# EAGLE board Mk4 Final a Panel score 2x5 (EAGLE 9.0.1), part 2 of 29 (continued)
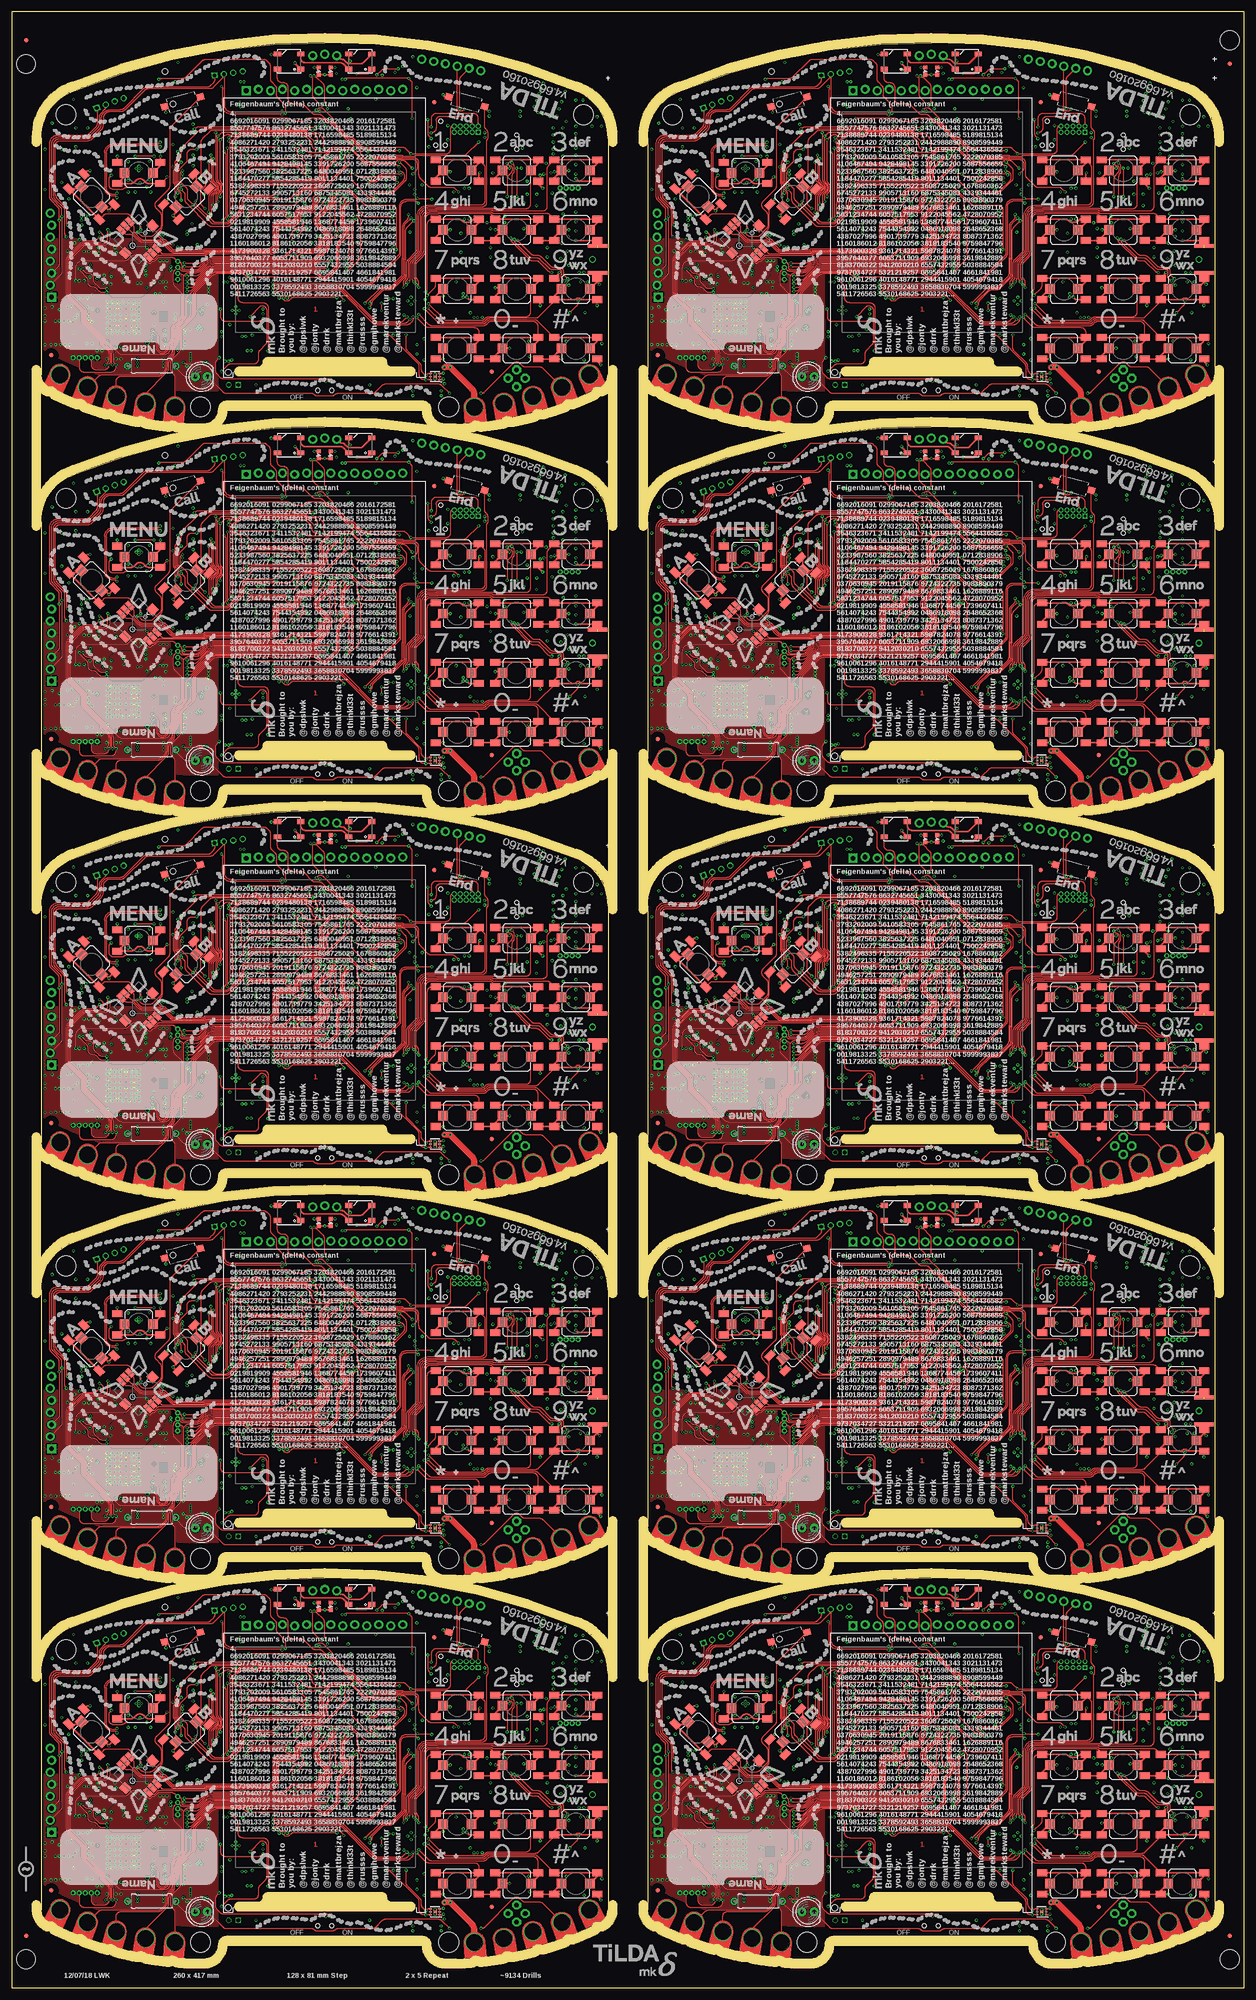
[diagram p0: board, top side]
## Placement (x,y rotation side) (continued)
C888  0402/100n/10V/X5R  [C0402-SMALLER]  50.25,391.5 0 bottom
C889  0402/100n/10V/X5R  [C0402-SMALLER]  50.25,386.75 0 bottom
C890  0402/100n/10V/X5R  [C0402-SMALLER]  35.25,384.25 180 bottom
C891  0402/100n/10V/X5R  [C0402-SMALLER]  50.25,382.75 0 bottom
C892  0402/100n/10V/X5R  [C0402-SMALLER]  50.25,393 0 bottom
C893  0402/100n/10V/X5R  [C0402-SMALLER]  35.25,389 180 bottom
C894  0402/100n/10V/X5R  [C0402-SMALLER]  50.25,372.25 0 bottom
C895  1411/100u/10V/Tant  [CT3528]  102.25,355.5 90 bottom
C896  0603/4u7/10V/X5R  [C0603K-SMALL]  107.5,357.75 180 bottom
C897  0402/100n/10V/X5R  [C0402-SMALLER]  109.25,360.75 180 bottom
C898  1411/100u/10V/Tant  [CT3528]  98.5,355.5 90 bottom
C899  0805/10u/10V/X5R  [C0805-N]  38.45,348.75 0 bottom
C900  0603/4u7/10V/X5R  [C0603K-SMALL]  39.45,344.35 90 bottom
C901  0805/10u/10V/X5R  [C0805-N]  38.45,346.75 0 bottom
C902  0805/10u/10V/X5R  [C0805-N]  87,345.75 270 bottom
C903  0805/10u/10V/X5R  [C0805-N]  49.75,350 180 bottom
C904  0805/10u/10V/X5R  [C0805-N]  42.75,356.5 90 bottom
C905  0603/4u7/10V/X5R  [C0603K-SMALL]  42.2,354.25 180 bottom
C906  0402/47n/10V/X5R  [C0402-SMALLER]  42.75,353.25 0 bottom
C907  0805/10u/10V/X5R  [C0805-N]  46.25,349 0 bottom
C908  0603/1u/6V3/X5R  [C0603K-SMALL]  43.75,358.75 0 bottom
C909  1210/100u/6V3/X5R  [C1210K]  32,367.25 270 bottom
C910  1210/100u/6V3/X5R  [C1210K]  29.25,343 0 bottom
C911  0402/22p/10V/C0G  [C0402-SMALLER]  107.5,382.5 270 bottom
C912  0402/22p/10V/C0G  [C0402-SMALLER]  104.5,382.5 270 bottom
C913  0402/22p/10V/C0G  [C0402-SMALLER]  102.5,382.5 270 bottom
C914  0402/100n/10V/X5R  [C0402-SMALLER]  121.25,344.25 180 bottom
C915  0402/33p/50V/C0G  [C0402-SMALLER]  104,396 0 bottom
C916  0402/10p/50V/C0G  [C0402-SMALLER]  102,395 0 bottom
C917  0402/33p/50V/C0G  [C0402-SMALLER]  106,396 180 bottom
C918  0402/33p/50V/C0G  [C0402-SMALLER]  102,396 0 bottom
C919  0402/10p/50V/C0G  [C0402-SMALLER]  104,395 0 bottom
C920  0402/10p/50V/C0G  [C0402-SMALLER]  106,395 180 bottom
C921  0402/33p/50V/C0G  [C0402-SMALLER]  95.5,376.5 90 bottom
C922  0402/10p/50V/C0G  [C0402-SMALLER]  96.5,378.5 90 bottom
C923  0402/33p/50V/C0G  [C0402-SMALLER]  95.5,374.5 270 bottom
C924  0402/33p/50V/C0G  [C0402-SMALLER]  95.5,378.5 90 bottom
C925  0402/10p/50V/C0G  [C0402-SMALLER]  96.5,376.5 90 bottom
C926  0402/10p/50V/C0G  [C0402-SMALLER]  96.5,374.5 270 bottom
C927  0402/100n/10V/X5R  [C0402-SMALLER]  85.25,380.45 180 bottom
C928  0402/100n/10V/X5R  [C0402-SMALLER]  100.75,391 270 bottom
C929  [C0402-SMALLER]  117.45,368.1 270 bottom
C930  [C0402-SMALLER]  118,365.5 180 bottom
C931  [C0402-SMALLER]  116.75,395 20 bottom
C932  [C0402-SMALLER]  117.75,397.75 20 bottom
C933  [C0402-SMALLER]  11.75,353.5 270 bottom
C934  [C0402-SMALLER]  8.5,353.5 270 bottom
C935  0402/1n/10V/X5R  [C0402-SMALLER]  87.5,387.75 0 bottom
C936  0402/2n2/10V/X5R  [C0402-SMALLER]  85.5,387.75 0 bottom
C937  0402/100n/10V/X5R  [C0402-SMALLER]  90,385 0 bottom
C938  0402/100n/10V/X5R  [C0402-SMALLER]  90,384 0 bottom
C939  0402/220n/6V3/X5R  [C0402-SMALLER]  29.95,388.45 180 bottom
C940  0402/220n/6V3/X5R  [C0402-SMALLER]  29.95,389.45 180 bottom
C941  0402/100n/10V/X5R  [C0402-SMALLER]  27.05,379.45 270 bottom
C942  0402/100n/10V/X5R  [C0402-SMALLER]  23,367.25 180 bottom
C943  0402/100n/10V/X5R  [C0402-SMALLER]  14.25,359 270 bottom
C944  0402/100n/10V/X5R  [C0402-SMALLER]  17.5,353.25 0 bottom
C945  0805/10u/10V/X5R  [C0805-N]  17.85,364.1 90 bottom
C946  0402/100n/10V/X5R  [C0402-SMALLER]  20.1,360.25 90 bottom
C947  0402/100n/10V/X5R  [C0402-SMALLER]  30.75,356.75 180 bottom
C948  0603/1u/6V3/X5R  [C0603K-SMALL]  17.5,359.75 0 bottom
C949  0603/22u/4V/X5R  [C0603K-SMALL]  27.25,362.75 90 bottom
C950  0603/22u/4V/X5R  [C0603K-SMALL]  26,362.75 90 bottom
C951  0805/10u/10V/X5R  [C0805-N]  32.25,362 270 bottom
C952  0402/4u7/6V3/X5R  [C0402-SMALLER]  21.6,360 90 bottom
C953  0402/4u7/6V3/X5R  [C0402-SMALLER]  27.2,358.5 180 bottom
C954  0402/4u7/6V3/X5R  [C0402-SMALLER]  22.9,360.2 90 bottom
C955  0402/100n/10V/X5R  [C0402-SMALLER]  22,345 270 bottom
C956  0402/100n/10V/X5R  [C0402-SMALLER]  30,352.25 270 bottom
C957  0805/10u/10V/X5R  [C0805-N]  30.5,358.75 180 bottom
C958  0402/100n/10V/X5R  [C0402-SMALLER]  17.5,352.25 0 bottom
C959  0402/100n/10V/X5R  [C0402-SMALLER]  30.75,355.75 180 bottom
C960  0402/100n/10V/X5R  [C0402-SMALLER]  31,348.75 180 bottom
C961  0402/100n/10V/X5R  [C0402-SMALLER]  23,345 270 bottom
C962  0402/12p/50V/C0G  [C0402-SMALLER]  16.95,350.25 270 bottom
C963  0402/12p/50V/C0G  [C0402-SMALLER]  16.95,348.25 90 bottom
C964  0402/12p/50V/C0G  [C0402-SMALLER]  33.75,351.75 270 bottom
C965  0402/12p/50V/C0G  [C0402-SMALLER]  33.75,353.75 90 bottom
C966  0402/100n/10V/X5R  [C0402-SMALLER]  81,349.5 180 bottom
C967  0402/120p/50V/C0G  [C0402-SMALLER]  33.95,344.35 270 bottom
C968  0402/100n/10V/X5R  [C0402-SMALLER]  90.25,340 90 bottom
C969  0402/220n/6V3/X5R  [C0402-SMALLER]  29.95,390.4 180 bottom
C970  0402/220n/6V3/X5R  [C0402-SMALLER]  30,387.5 180 bottom
C971  0402/100n/10V/X5R  [C0402-SMALLER]  85.35,336.5 270 bottom
C972  0402/100n/10V/X5R  [C0402-SMALLER]  92,339.5 270 bottom
C973  0603/4u7/10V/X5R  [C0603K-SMALL]  185.75,370.25 180 bottom
C974  0402/100n/10V/X5R  [C0402-SMALLER]  185.75,369 180 bottom
C975  0603/1u/6V3/X5R  [C0603K-SMALL]  188.75,405.5 270 bottom
C976  0402/100n/10V/X5R  [C0402-SMALLER]  203.75,376.25 0 bottom
C977  0402/100n/10V/X5R  [C0402-SMALLER]  196.5,402.75 270 bottom
C978  0402/100n/10V/X5R  [C0402-SMALLER]  203.5,398.5 0 bottom
C979  0402/100n/10V/X5R  [C0402-SMALLER]  212.45,400.5 270 bottom
C980  0603/2u2/6V3/X5R  [C0603K-SMALL]  205,381.5 0 bottom
C981  0603/1u/6V3/X5R  [C0603K-SMALL]  205,380.25 0 bottom
C982  0402/100n/10V/X5R  [C0402-SMALLER]  195.75,393 270 bottom
C983  0402/100n/10V/X5R  [C0402-SMALLER]  203.5,383.25 90 bottom
C984  0402/100n/10V/X5R  [C0402-SMALLER]  184.75,382.6 270 bottom
C985  0402/100n/10V/X5R  [C0402-SMALLER]  193.5,392.25 0 bottom
C986  0402/100n/10V/X5R  [C0402-SMALLER]  194,373.5 180 bottom
C987  0402/100n/10V/X5R  [C0402-SMALLER]  196.75,373.5 180 bottom
C988  0603/1u/6V3/X5R  [C0603K-SMALL]  196.75,371.75 180 bottom
C989  0402/100n/10V/X5R  [C0402-SMALLER]  192.5,394.25 0 bottom
C990  0402/12p/50V/C0G  [C0402-SMALLER]  196.25,394.45 180 bottom
C991  0402/12p/50V/C0G  [C0402-SMALLER]  198.25,394.45 0 bottom
C992  0402/12p/50V/C0G  [C0402-SMALLER]  187.4,393 180 bottom
C993  0402/12p/50V/C0G  [C0402-SMALLER]  189.4,393 0 bottom
C994  0603/3n3/50V/X7R  [C0603K-SMALL]  210.5,407.5 90 bottom
C995  0402/100n/10V/X5R  [C0402-SMALLER]  208,355.75 180 bottom
C996  0402/100n/10V/X5R  [C0402-SMALLER]  178.25,391.5 0 bottom
C997  0402/100n/10V/X5R  [C0402-SMALLER]  178.25,386.75 0 bottom
C998  0402/100n/10V/X5R  [C0402-SMALLER]  163.25,384.25 180 bottom
C999  0402/100n/10V/X5R  [C0402-SMALLER]  178.25,382.75 0 bottom
C1000  0402/100n/10V/X5R  [C0402-SMALLER]  178.25,393 0 bottom
C1001  0402/100n/10V/X5R  [C0402-SMALLER]  163.25,389 180 bottom
C1002  0402/100n/10V/X5R  [C0402-SMALLER]  178.25,372.25 0 bottom
C1003  1411/100u/10V/Tant  [CT3528]  230.25,355.5 90 bottom
C1004  0603/4u7/10V/X5R  [C0603K-SMALL]  235.5,357.75 180 bottom
C1005  0402/100n/10V/X5R  [C0402-SMALLER]  237.25,360.75 180 bottom
C1006  1411/100u/10V/Tant  [CT3528]  226.5,355.5 90 bottom
C1007  0805/10u/10V/X5R  [C0805-N]  166.45,348.75 0 bottom
C1008  0603/4u7/10V/X5R  [C0603K-SMALL]  167.45,344.35 90 bottom
C1009  0805/10u/10V/X5R  [C0805-N]  166.45,346.75 0 bottom
C1010  0805/10u/10V/X5R  [C0805-N]  215,345.75 270 bottom
C1011  0805/10u/10V/X5R  [C0805-N]  177.75,350 180 bottom
C1012  0805/10u/10V/X5R  [C0805-N]  170.75,356.5 90 bottom
C1013  0603/4u7/10V/X5R  [C0603K-SMALL]  170.2,354.25 180 bottom
C1014  0402/47n/10V/X5R  [C0402-SMALLER]  170.75,353.25 0 bottom
C1015  0805/10u/10V/X5R  [C0805-N]  174.25,349 0 bottom
C1016  0603/1u/6V3/X5R  [C0603K-SMALL]  171.75,358.75 0 bottom
C1017  1210/100u/6V3/X5R  [C1210K]  160,367.25 270 bottom
C1018  1210/100u/6V3/X5R  [C1210K]  157.25,343 0 bottom
C1019  0402/22p/10V/C0G  [C0402-SMALLER]  235.5,382.5 270 bottom
C1020  0402/22p/10V/C0G  [C0402-SMALLER]  232.5,382.5 270 bottom
C1021  0402/22p/10V/C0G  [C0402-SMALLER]  230.5,382.5 270 bottom
C1022  0402/100n/10V/X5R  [C0402-SMALLER]  249.25,344.25 180 bottom
C1023  0402/33p/50V/C0G  [C0402-SMALLER]  232,396 0 bottom
C1024  0402/10p/50V/C0G  [C0402-SMALLER]  230,395 0 bottom
C1025  0402/33p/50V/C0G  [C0402-SMALLER]  234,396 180 bottom
C1026  0402/33p/50V/C0G  [C0402-SMALLER]  230,396 0 bottom
C1027  0402/10p/50V/C0G  [C0402-SMALLER]  232,395 0 bottom
C1028  0402/10p/50V/C0G  [C0402-SMALLER]  234,395 180 bottom
C1029  0402/33p/50V/C0G  [C0402-SMALLER]  223.5,376.5 90 bottom
C1030  0402/10p/50V/C0G  [C0402-SMALLER]  224.5,378.5 90 bottom
C1031  0402/33p/50V/C0G  [C0402-SMALLER]  223.5,374.5 270 bottom
C1032  0402/33p/50V/C0G  [C0402-SMALLER]  223.5,378.5 90 bottom
C1033  0402/10p/50V/C0G  [C0402-SMALLER]  224.5,376.5 90 bottom
C1034  0402/10p/50V/C0G  [C0402-SMALLER]  224.5,374.5 270 bottom
C1035  0402/100n/10V/X5R  [C0402-SMALLER]  213.25,380.45 180 bottom
C1036  0402/100n/10V/X5R  [C0402-SMALLER]  228.75,391 270 bottom
C1037  [C0402-SMALLER]  245.45,368.1 270 bottom
C1038  [C0402-SMALLER]  246,365.5 180 bottom
C1039  [C0402-SMALLER]  244.75,395 20 bottom
C1040  [C0402-SMALLER]  245.75,397.75 20 bottom
C1041  [C0402-SMALLER]  139.75,353.5 270 bottom
C1042  [C0402-SMALLER]  136.5,353.5 270 bottom
C1043  0402/1n/10V/X5R  [C0402-SMALLER]  215.5,387.75 0 bottom
C1044  0402/2n2/10V/X5R  [C0402-SMALLER]  213.5,387.75 0 bottom
C1045  0402/100n/10V/X5R  [C0402-SMALLER]  218,385 0 bottom
C1046  0402/100n/10V/X5R  [C0402-SMALLER]  218,384 0 bottom
C1047  0402/220n/6V3/X5R  [C0402-SMALLER]  157.95,388.45 180 bottom
C1048  0402/220n/6V3/X5R  [C0402-SMALLER]  157.95,389.45 180 bottom
C1049  0402/100n/10V/X5R  [C0402-SMALLER]  155.05,379.45 270 bottom
C1050  0402/100n/10V/X5R  [C0402-SMALLER]  151,367.25 180 bottom
C1051  0402/100n/10V/X5R  [C0402-SMALLER]  142.25,359 270 bottom
C1052  0402/100n/10V/X5R  [C0402-SMALLER]  145.5,353.25 0 bottom
C1053  0805/10u/10V/X5R  [C0805-N]  145.85,364.1 90 bottom
C1054  0402/100n/10V/X5R  [C0402-SMALLER]  148.1,360.25 90 bottom
C1055  0402/100n/10V/X5R  [C0402-SMALLER]  158.75,356.75 180 bottom
C1056  0603/1u/6V3/X5R  [C0603K-SMALL]  145.5,359.75 0 bottom
C1057  0603/22u/4V/X5R  [C0603K-SMALL]  155.25,362.75 90 bottom
C1058  0603/22u/4V/X5R  [C0603K-SMALL]  154,362.75 90 bottom
C1059  0805/10u/10V/X5R  [C0805-N]  160.25,362 270 bottom
C1060  0402/4u7/6V3/X5R  [C0402-SMALLER]  149.6,360 90 bottom
C1061  0402/4u7/6V3/X5R  [C0402-SMALLER]  155.2,358.5 180 bottom
C1062  0402/4u7/6V3/X5R  [C0402-SMALLER]  150.9,360.2 90 bottom
C1063  0402/100n/10V/X5R  [C0402-SMALLER]  150,345 270 bottom
C1064  0402/100n/10V/X5R  [C0402-SMALLER]  158,352.25 270 bottom
C1065  0805/10u/10V/X5R  [C0805-N]  158.5,358.75 180 bottom
C1066  0402/100n/10V/X5R  [C0402-SMALLER]  145.5,352.25 0 bottom
C1067  0402/100n/10V/X5R  [C0402-SMALLER]  158.75,355.75 180 bottom
C1068  0402/100n/10V/X5R  [C0402-SMALLER]  159,348.75 180 bottom
C1069  0402/100n/10V/X5R  [C0402-SMALLER]  151,345 270 bottom
C1070  0402/12p/50V/C0G  [C0402-SMALLER]  144.95,350.25 270 bottom
C1071  0402/12p/50V/C0G  [C0402-SMALLER]  144.95,348.25 90 bottom
C1072  0402/12p/50V/C0G  [C0402-SMALLER]  161.75,351.75 270 bottom
C1073  0402/12p/50V/C0G  [C0402-SMALLER]  161.75,353.75 90 bottom
C1074  0402/100n/10V/X5R  [C0402-SMALLER]  209,349.5 180 bottom
C1075  0402/120p/50V/C0G  [C0402-SMALLER]  161.95,344.35 270 bottom
C1076  0402/100n/10V/X5R  [C0402-SMALLER]  218.25,340 90 bottom
C1077  0402/220n/6V3/X5R  [C0402-SMALLER]  157.95,390.4 180 bottom
C1078  0402/220n/6V3/X5R  [C0402-SMALLER]  158,387.5 180 bottom
C1079  0402/100n/10V/X5R  [C0402-SMALLER]  213.35,336.5 270 bottom
C1080  0402/100n/10V/X5R  [C0402-SMALLER]  220,339.5 270 bottom
D1  MMSZ5231BT1G  [SOD123]  105,31.5 90 bottom
D2  LXES15AAA1-153  [R0402-SMALLER]  118,40.5 0 bottom
D3  MMSZ5231BT1G  [SOD123]  233,31.5 90 bottom
D4  LXES15AAA1-153  [R0402-SMALLER]  246,40.5 0 bottom
D5  MMSZ5231BT1G  [SOD123]  105,112.5 90 bottom
D6  LXES15AAA1-153  [R0402-SMALLER]  118,121.5 0 bottom
D7  MMSZ5231BT1G  [SOD123]  233,112.5 90 bottom
D8  LXES15AAA1-153  [R0402-SMALLER]  246,121.5 0 bottom
D9  MMSZ5231BT1G  [SOD123]  105,193.5 90 bottom
D10  LXES15AAA1-153  [R0402-SMALLER]  118,202.5 0 bottom
D11  MMSZ5231BT1G  [SOD123]  233,193.5 90 bottom
D12  LXES15AAA1-153  [R0402-SMALLER]  246,202.5 0 bottom
D13  MMSZ5231BT1G  [SOD123]  105,274.5 90 bottom
D14  LXES15AAA1-153  [R0402-SMALLER]  118,283.5 0 bottom
D15  MMSZ5231BT1G  [SOD123]  233,274.5 90 bottom
D16  LXES15AAA1-153  [R0402-SMALLER]  246,283.5 0 bottom
D17  MMSZ5231BT1G  [SOD123]  105,355.5 90 bottom
D18  LXES15AAA1-153  [R0402-SMALLER]  118,364.5 0 bottom
D19  MMSZ5231BT1G  [SOD123]  233,355.5 90 bottom
D20  LXES15AAA1-153  [R0402-SMALLER]  246,364.5 0 bottom
E$1  [FIDUCIAL-1X2.5-STOP]  257,11 0 top
E$2  [FIDUCIAL-1X2.5-STOP]  257,11 0 bottom
E$3  [FIDUCIAL-1X2.5-STOP]  3,411 0 top
E$4  [TILDA_ARTWORK]  122.5,5.5 0 top
E$5  [EMFLOGO1]  3,25 0 top
E$6  [FIDUCIAL-1X2.5-STOP]  3,11 0 bottom
E$7  [FIDUCIAL-1X2.5-STOP]  3,411 0 bottom
E$10  [FIDUCIAL-1X2.5-STOP]  3,11 0 top
E$11  [TILDA_ARTWORK_MKDELTA]  132.5,2.5 0 top
E$12  [FIDUCIAL-1X2.5-STOP]  257,406 180 top
E$13  [FIDUCIAL-1X2.5-STOP]  257,406 180 bottom
FID1  FIDUCIAL1X2.5-STOP  [FIDUCIAL-1X2.5-STOP]  101.3,17.1 270 top
FID2  FIDUCIAL1X2.5-STOP  [FIDUCIAL-1X2.5-STOP]  8.3,20.5 180 bottom
FID3  FIDUCIAL1X2.5-STOP  [FIDUCIAL-1X2.5-STOP]  89.1,73.9 180 top
FID4  FIDUCIAL1X2.5-STOP  [FIDUCIAL-1X2.5-STOP]  89.1,73.9 180 bottom
FID5  FIDUCIAL1X2.5-STOP  [FIDUCIAL-1X2.5-STOP]  8.3,20.5 180 top
FID6  FIDUCIAL1X2.5-STOP  [FIDUCIAL-1X2.5-STOP]  101.3,17.1 270 bottom
FID7  FIDUCIAL1X2.5-STOP  [FIDUCIAL-1X2.5-STOP]  229.3,17.1 270 top
FID8  FIDUCIAL1X2.5-STOP  [FIDUCIAL-1X2.5-STOP]  217.1,73.9 180 bottom
FID9  FIDUCIAL1X2.5-STOP  [FIDUCIAL-1X2.5-STOP]  217.1,73.9 180 top
FID10  FIDUCIAL1X2.5-STOP  [FIDUCIAL-1X2.5-STOP]  229.3,17.1 270 bottom
FID11  FIDUCIAL1X2.5-STOP  [FIDUCIAL-1X2.5-STOP]  136.3,20.5 180 bottom
FID12  FIDUCIAL1X2.5-STOP  [FIDUCIAL-1X2.5-STOP]  136.3,20.5 180 top
FID13  FIDUCIAL1X2.5-STOP  [FIDUCIAL-1X2.5-STOP]  101.3,98.1 270 top
FID14  FIDUCIAL1X2.5-STOP  [FIDUCIAL-1X2.5-STOP]  89.1,154.9 180 bottom
FID15  FIDUCIAL1X2.5-STOP  [FIDUCIAL-1X2.5-STOP]  89.1,154.9 180 top
FID16  FIDUCIAL1X2.5-STOP  [FIDUCIAL-1X2.5-STOP]  101.3,98.1 270 bottom
FID17  FIDUCIAL1X2.5-STOP  [FIDUCIAL-1X2.5-STOP]  8.3,101.5 180 bottom
FID18  FIDUCIAL1X2.5-STOP  [FIDUCIAL-1X2.5-STOP]  8.3,101.5 180 top
FID19  FIDUCIAL1X2.5-STOP  [FIDUCIAL-1X2.5-STOP]  229.3,98.1 270 top
FID20  FIDUCIAL1X2.5-STOP  [FIDUCIAL-1X2.5-STOP]  217.1,154.9 180 bottom
FID21  FIDUCIAL1X2.5-STOP  [FIDUCIAL-1X2.5-STOP]  217.1,154.9 180 top
FID22  FIDUCIAL1X2.5-STOP  [FIDUCIAL-1X2.5-STOP]  229.3,98.1 270 bottom
FID23  FIDUCIAL1X2.5-STOP  [FIDUCIAL-1X2.5-STOP]  136.3,101.5 180 bottom
FID24  FIDUCIAL1X2.5-STOP  [FIDUCIAL-1X2.5-STOP]  136.3,101.5 180 top
FID25  FIDUCIAL1X2.5-STOP  [FIDUCIAL-1X2.5-STOP]  101.3,179.1 270 top
FID26  FIDUCIAL1X2.5-STOP  [FIDUCIAL-1X2.5-STOP]  89.1,235.9 180 bottom
FID27  FIDUCIAL1X2.5-STOP  [FIDUCIAL-1X2.5-STOP]  89.1,235.9 180 top
FID28  FIDUCIAL1X2.5-STOP  [FIDUCIAL-1X2.5-STOP]  101.3,179.1 270 bottom
FID29  FIDUCIAL1X2.5-STOP  [FIDUCIAL-1X2.5-STOP]  8.3,182.5 180 bottom
FID30  FIDUCIAL1X2.5-STOP  [FIDUCIAL-1X2.5-STOP]  8.3,182.5 180 top
FID31  FIDUCIAL1X2.5-STOP  [FIDUCIAL-1X2.5-STOP]  229.3,179.1 270 top
FID32  FIDUCIAL1X2.5-STOP  [FIDUCIAL-1X2.5-STOP]  217.1,235.9 180 bottom
FID33  FIDUCIAL1X2.5-STOP  [FIDUCIAL-1X2.5-STOP]  217.1,235.9 180 top
FID34  FIDUCIAL1X2.5-STOP  [FIDUCIAL-1X2.5-STOP]  229.3,179.1 270 bottom
FID35  FIDUCIAL1X2.5-STOP  [FIDUCIAL-1X2.5-STOP]  136.3,182.5 180 bottom
FID36  FIDUCIAL1X2.5-STOP  [FIDUCIAL-1X2.5-STOP]  136.3,182.5 180 top
FID37  FIDUCIAL1X2.5-STOP  [FIDUCIAL-1X2.5-STOP]  101.3,260.1 270 top
FID38  FIDUCIAL1X2.5-STOP  [FIDUCIAL-1X2.5-STOP]  89.1,316.9 180 bottom
FID39  FIDUCIAL1X2.5-STOP  [FIDUCIAL-1X2.5-STOP]  89.1,316.9 180 top
FID40  FIDUCIAL1X2.5-STOP  [FIDUCIAL-1X2.5-STOP]  101.3,260.1 270 bottom
FID41  FIDUCIAL1X2.5-STOP  [FIDUCIAL-1X2.5-STOP]  8.3,263.5 180 bottom
FID42  FIDUCIAL1X2.5-STOP  [FIDUCIAL-1X2.5-STOP]  8.3,263.5 180 top
FID43  FIDUCIAL1X2.5-STOP  [FIDUCIAL-1X2.5-STOP]  229.3,260.1 270 top
FID44  FIDUCIAL1X2.5-STOP  [FIDUCIAL-1X2.5-STOP]  217.1,316.9 180 bottom
FID45  FIDUCIAL1X2.5-STOP  [FIDUCIAL-1X2.5-STOP]  217.1,316.9 180 top
FID46  FIDUCIAL1X2.5-STOP  [FIDUCIAL-1X2.5-STOP]  229.3,260.1 270 bottom
FID47  FIDUCIAL1X2.5-STOP  [FIDUCIAL-1X2.5-STOP]  136.3,263.5 180 bottom
FID48  FIDUCIAL1X2.5-STOP  [FIDUCIAL-1X2.5-STOP]  136.3,263.5 180 top
FID49  FIDUCIAL1X2.5-STOP  [FIDUCIAL-1X2.5-STOP]  101.3,341.1 270 top
FID50  FIDUCIAL1X2.5-STOP  [FIDUCIAL-1X2.5-STOP]  89.1,397.9 180 bottom
FID51  FIDUCIAL1X2.5-STOP  [FIDUCIAL-1X2.5-STOP]  89.1,397.9 180 top
FID52  FIDUCIAL1X2.5-STOP  [FIDUCIAL-1X2.5-STOP]  101.3,341.1 270 bottom
FID53  FIDUCIAL1X2.5-STOP  [FIDUCIAL-1X2.5-STOP]  8.3,344.5 180 bottom
FID54  FIDUCIAL1X2.5-STOP  [FIDUCIAL-1X2.5-STOP]  8.3,344.5 180 top
FID55  FIDUCIAL1X2.5-STOP  [FIDUCIAL-1X2.5-STOP]  229.3,341.1 270 top
FID56  FIDUCIAL1X2.5-STOP  [FIDUCIAL-1X2.5-STOP]  217.1,397.9 180 bottom
FID57  FIDUCIAL1X2.5-STOP  [FIDUCIAL-1X2.5-STOP]  217.1,397.9 180 top
FID58  FIDUCIAL1X2.5-STOP  [FIDUCIAL-1X2.5-STOP]  229.3,341.1 270 bottom
FID59  FIDUCIAL1X2.5-STOP  [FIDUCIAL-1X2.5-STOP]  136.3,344.5 180 bottom
FID60  FIDUCIAL1X2.5-STOP  [FIDUCIAL-1X2.5-STOP]  136.3,344.5 180 top
FL1  DEA202450BT-1294C1-H  [DEA202450BT]  17,31.75 270 bottom
FL2  DEA202450BT-1294C1-H  [DEA202450BT]  145,31.75 270 bottom
FL3  DEA202450BT-1294C1-H  [DEA202450BT]  17,112.75 270 bottom
FL4  DEA202450BT-1294C1-H  [DEA202450BT]  145,112.75 270 bottom
FL5  DEA202450BT-1294C1-H  [DEA202450BT]  17,193.75 270 bottom
FL6  DEA202450BT-1294C1-H  [DEA202450BT]  145,193.75 270 bottom
FL7  DEA202450BT-1294C1-H  [DEA202450BT]  17,274.75 270 bottom
FL8  DEA202450BT-1294C1-H  [DEA202450BT]  145,274.75 270 bottom
FL9  DEA202450BT-1294C1-H  [DEA202450BT]  17,355.75 270 bottom
FL10  DEA202450BT-1294C1-H  [DEA202450BT]  145,355.75 270 bottom
IC1  MSP432E401  [QFP128-0.4]  66,59 0 bottom
IC2  AS4C4M16SA-7TCN  [TSOP54-400]  42.7,58.7 270 bottom
IC3  HDC2080DMBR  [SHT2X]  88.1,13 90 bottom
IC4  TCA9555RGER  [QFN-24]  84.25,32 270 bottom
IC5  SIM800C24 S2-10686-Z1L09  [SIM800C]  106.5,47 180 bottom
IC6  MX25R8035FM1IH1  [SO08-EIAJ]  78.7,49.15 270 bottom
IC7  TPD3E001DRL  [DRL-5]  82.25,79.5 90 bottom
IC8  BQ25601  [QFN-24]  47.25,30 270 bottom
IC9  TPS62822DLCR  [VSON-HR]  37.7,20.1 180 bottom
IC10  TPD3E001DRL  [DRL-5]  115.25,36.4 270 bottom
IC11  TLV9002IDGK  [VSSOP8]  87,60 180 bottom
IC12  SN74HC4066D  [SO14]  97,60.5 0 bottom
IC13  TPA2006D1  [VSON-8]  26.8,59.95 270 bottom
IC14  MX25R1635FM1IL0  [SO08-EIAJ]  19.75,46.25 90 bottom
IC15  CC3120R  [VQFN-64]  23.5,28.5 0 bottom
IC16  TMP102AIDRLR  [SOT563]  81,27 270 bottom
IC17  OPT3001DNPR  [USON-6]  89.3,16 180 top
IC18  DRV5055A1QDBZR  [SOT23-3]  94.25,15.25 180 bottom
IC19  AS4C4M16SA-7TCN  [TSOP54-400]  170.7,58.7 270 bottom
IC20  MSP432E401  [QFP128-0.4]  194,59 0 bottom
IC21  SIM800C24 S2-10686-Z1L09  [SIM800C]  234.5,47 180 bottom
IC22  MX25R8035FM1IH1  [SO08-EIAJ]  206.7,49.15 270 bottom
IC23  TPD3E001DRL  [DRL-5]  210.25,79.5 90 bottom
IC24  BQ25601  [QFN-24]  175.25,30 270 bottom
IC25  TPD3E001DRL  [DRL-5]  243.25,36.4 270 bottom
IC26  TLV9002IDGK  [VSSOP8]  215,60 180 bottom
IC27  SN74HC4066D  [SO14]  225,60.5 0 bottom
IC28  TPA2006D1  [VSON-8]  154.8,59.95 270 bottom
IC29  CC3120R  [VQFN-64]  151.5,28.5 0 bottom
IC30  MX25R1635FM1IL0  [SO08-EIAJ]  147.75,46.25 90 bottom
IC31  TCA9555RGER  [QFN-24]  212.25,32 270 bottom
IC32  TMP102AIDRLR  [SOT563]  209,27 270 bottom
IC33  TPS62822DLCR  [VSON-HR]  165.7,20.1 180 bottom
IC34  OPT3001DNPR  [USON-6]  217.3,16 180 top
IC35  HDC2080DMBR  [SHT2X]  216.1,13 90 bottom
IC36  DRV5055A1QDBZR  [SOT23-3]  222.25,15.25 180 bottom
IC37  AS4C4M16SA-7TCN  [TSOP54-400]  42.7,139.7 270 bottom
IC38  MSP432E401  [QFP128-0.4]  66,140 0 bottom
IC39  SIM800C24 S2-10686-Z1L09  [SIM800C]  106.5,128 180 bottom
IC40  MX25R8035FM1IH1  [SO08-EIAJ]  78.7,130.15 270 bottom
IC41  TPD3E001DRL  [DRL-5]  82.25,160.5 90 bottom
IC42  BQ25601  [QFN-24]  47.25,111 270 bottom
IC43  TPD3E001DRL  [DRL-5]  115.25,117.4 270 bottom
IC44  TLV9002IDGK  [VSSOP8]  87,141 180 bottom
IC45  SN74HC4066D  [SO14]  97,141.5 0 bottom
IC46  TPA2006D1  [VSON-8]  26.8,140.95 270 bottom
IC47  CC3120R  [VQFN-64]  23.5,109.5 0 bottom
IC48  MX25R1635FM1IL0  [SO08-EIAJ]  19.75,127.25 90 bottom
IC49  TCA9555RGER  [QFN-24]  84.25,113 270 bottom
IC50  TMP102AIDRLR  [SOT563]  81,108 270 bottom
IC51  TPS62822DLCR  [VSON-HR]  37.7,101.1 180 bottom
IC52  OPT3001DNPR  [USON-6]  89.3,97 180 top
IC53  HDC2080DMBR  [SHT2X]  88.1,94 90 bottom
IC54  DRV5055A1QDBZR  [SOT23-3]  94.25,96.25 180 bottom
IC55  AS4C4M16SA-7TCN  [TSOP54-400]  170.7,139.7 270 bottom
IC56  MSP432E401  [QFP128-0.4]  194,140 0 bottom
IC57  SIM800C24 S2-10686-Z1L09  [SIM800C]  234.5,128 180 bottom
IC58  MX25R8035FM1IH1  [SO08-EIAJ]  206.7,130.15 270 bottom
IC59  TPD3E001DRL  [DRL-5]  210.25,160.5 90 bottom
IC60  BQ25601  [QFN-24]  175.25,111 270 bottom
IC61  TPD3E001DRL  [DRL-5]  243.25,117.4 270 bottom
IC62  TLV9002IDGK  [VSSOP8]  215,141 180 bottom
IC63  SN74HC4066D  [SO14]  225,141.5 0 bottom
IC64  TPA2006D1  [VSON-8]  154.8,140.95 270 bottom
IC65  CC3120R  [VQFN-64]  151.5,109.5 0 bottom
IC66  MX25R1635FM1IL0  [SO08-EIAJ]  147.75,127.25 90 bottom
IC67  TCA9555RGER  [QFN-24]  212.25,113 270 bottom
IC68  TMP102AIDRLR  [SOT563]  209,108 270 bottom
IC69  TPS62822DLCR  [VSON-HR]  165.7,101.1 180 bottom
IC70  OPT3001DNPR  [USON-6]  217.3,97 180 top
IC71  HDC2080DMBR  [SHT2X]  216.1,94 90 bottom
IC72  DRV5055A1QDBZR  [SOT23-3]  222.25,96.25 180 bottom
IC73  AS4C4M16SA-7TCN  [TSOP54-400]  42.7,220.7 270 bottom
IC74  MSP432E401  [QFP128-0.4]  66,221 0 bottom
IC75  SIM800C24 S2-10686-Z1L09  [SIM800C]  106.5,209 180 bottom
IC76  MX25R8035FM1IH1  [SO08-EIAJ]  78.7,211.15 270 bottom
IC77  TPD3E001DRL  [DRL-5]  82.25,241.5 90 bottom
IC78  BQ25601  [QFN-24]  47.25,192 270 bottom
IC79  TPD3E001DRL  [DRL-5]  115.25,198.4 270 bottom
IC80  TLV9002IDGK  [VSSOP8]  87,222 180 bottom
IC81  SN74HC4066D  [SO14]  97,222.5 0 bottom
IC82  TPA2006D1  [VSON-8]  26.8,221.95 270 bottom
IC83  CC3120R  [VQFN-64]  23.5,190.5 0 bottom
IC84  MX25R1635FM1IL0  [SO08-EIAJ]  19.75,208.25 90 bottom
IC85  TCA9555RGER  [QFN-24]  84.25,194 270 bottom
IC86  TMP102AIDRLR  [SOT563]  81,189 270 bottom
IC87  TPS62822DLCR  [VSON-HR]  37.7,182.1 180 bottom
IC88  OPT3001DNPR  [USON-6]  89.3,178 180 top
IC89  HDC2080DMBR  [SHT2X]  88.1,175 90 bottom
IC90  DRV5055A1QDBZR  [SOT23-3]  94.25,177.25 180 bottom
IC91  AS4C4M16SA-7TCN  [TSOP54-400]  170.7,220.7 270 bottom
IC92  MSP432E401  [QFP128-0.4]  194,221 0 bottom
IC93  SIM800C24 S2-10686-Z1L09  [SIM800C]  234.5,209 180 bottom
IC94  MX25R8035FM1IH1  [SO08-EIAJ]  206.7,211.15 270 bottom
IC95  TPD3E001DRL  [DRL-5]  210.25,241.5 90 bottom
IC96  BQ25601  [QFN-24]  175.25,192 270 bottom
IC97  TPD3E001DRL  [DRL-5]  243.25,198.4 270 bottom
IC98  TLV9002IDGK  [VSSOP8]  215,222 180 bottom
IC99  SN74HC4066D  [SO14]  225,222.5 0 bottom
IC100  TPA2006D1  [VSON-8]  154.8,221.95 270 bottom
IC101  CC3120R  [VQFN-64]  151.5,190.5 0 bottom
IC102  MX25R1635FM1IL0  [SO08-EIAJ]  147.75,208.25 90 bottom
IC103  TCA9555RGER  [QFN-24]  212.25,194 270 bottom
IC104  TMP102AIDRLR  [SOT563]  209,189 270 bottom
IC105  TPS62822DLCR  [VSON-HR]  165.7,182.1 180 bottom
IC106  OPT3001DNPR  [USON-6]  217.3,178 180 top
IC107  HDC2080DMBR  [SHT2X]  216.1,175 90 bottom
IC108  DRV5055A1QDBZR  [SOT23-3]  222.25,177.25 180 bottom
IC109  AS4C4M16SA-7TCN  [TSOP54-400]  42.7,301.7 270 bottom
IC110  MSP432E401  [QFP128-0.4]  66,302 0 bottom
IC111  SIM800C24 S2-10686-Z1L09  [SIM800C]  106.5,290 180 bottom
IC112  MX25R8035FM1IH1  [SO08-EIAJ]  78.7,292.15 270 bottom
IC113  TPD3E001DRL  [DRL-5]  82.25,322.5 90 bottom
IC114  BQ25601  [QFN-24]  47.25,273 270 bottom
IC115  TPD3E001DRL  [DRL-5]  115.25,279.4 270 bottom
IC116  TLV9002IDGK  [VSSOP8]  87,303 180 bottom
IC117  SN74HC4066D  [SO14]  97,303.5 0 bottom
IC118  TPA2006D1  [VSON-8]  26.8,302.95 270 bottom
IC119  CC3120R  [VQFN-64]  23.5,271.5 0 bottom
IC120  MX25R1635FM1IL0  [SO08-EIAJ]  19.75,289.25 90 bottom
IC121  TCA9555RGER  [QFN-24]  84.25,275 270 bottom
IC122  TMP102AIDRLR  [SOT563]  81,270 270 bottom
IC123  TPS62822DLCR  [VSON-HR]  37.7,263.1 180 bottom
IC124  OPT3001DNPR  [USON-6]  89.3,259 180 top
IC125  HDC2080DMBR  [SHT2X]  88.1,256 90 bottom
IC126  DRV5055A1QDBZR  [SOT23-3]  94.25,258.25 180 bottom
IC127  AS4C4M16SA-7TCN  [TSOP54-400]  170.7,301.7 270 bottom